# KiCad board armory.kicad_pcb (continued)
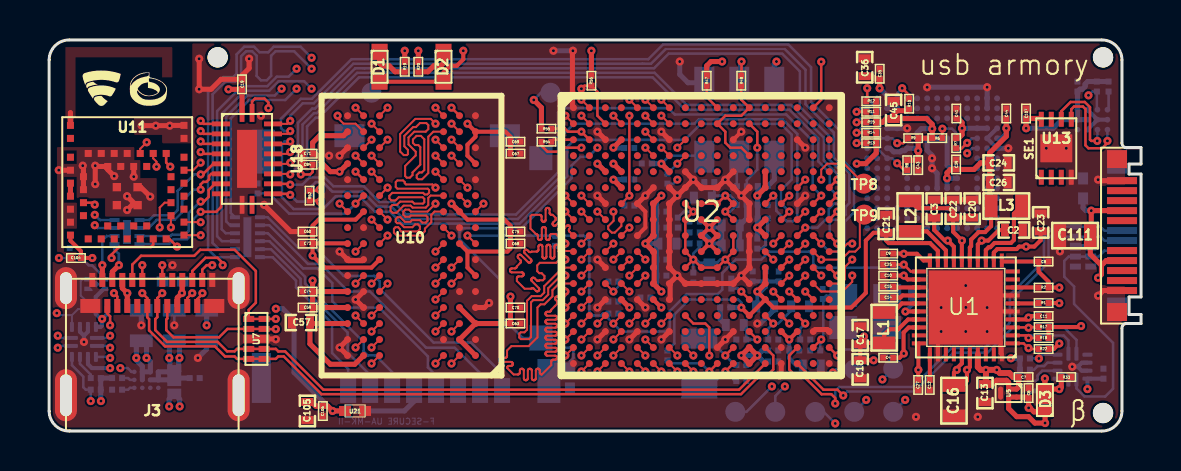
[diagram p0: board, top side]
## Routing (per net, layer and track width the routed paths; a pad name or vN(x,y) marks a point on that pad's centre or on a via; arc(x,y) is an arc through that point) (continued)
/DDR/DRAM_D13: length 28
  TOP w0.1: U2.P3 v1(27.43,5.38) ; v1(15.33,5.78) U10.C8
  SIGNAL_1 w0.1: v1(27.43,5.38) 28.01,5.96 28.28,5.96 28.45,6.13 28.45,6.47 28.63,6.65 28.63,7.12 28.9,7.39 29.23,7.39 29.43,7.59 29.43,7.99 29.23,8.19 28.84,8.19 28.62,8.41 28.62,8.76 28.4,8.98 25.68,8.98 25.12,9.54 24.95,9.54 24.93,9.54 24.91,9.55 24.89,9.56 24.87,9.58 24.86,9.6 24.85,9.62 24.85,9.64 24.85,9.94 24.85,9.96 24.84,9.98 24.83,10 24.81,10.02 24.79,10.03 24.77,10.04 24.75,10.04 24.73,10.04 24.71,10.03 24.69,10.02 24.67,10 24.66,9.98 24.65,9.96 24.65,9.94 24.65,9.14 24.65,9.12 24.64,9.1 24.63,9.08 24.61,9.06 24.59,9.05 24.57,9.04 24.55,9.04 24.53,9.04 24.51,9.05 24.49,9.06 24.47,9.08 24.46,9.1 24.45,9.12 24.45,9.14 24.45,9.94 24.45,9.96 24.44,9.98 24.43,10 24.41,10.02 24.39,10.03 24.37,10.04 24.35,10.04 24.33,10.04 24.31,10.03 24.29,10.02 24.27,10 24.26,9.98 24.25,9.96 24.25,9.94 24.25,9.14 24.25,9.12 24.24,9.1 24.23,9.08 24.21,9.06 24.19,9.05 24.17,9.04 24.15,9.04 24.13,9.04 24.11,9.05 24.09,9.06 24.07,9.08 24.06,9.1 24.05,9.12 24.05,9.14 24.05,9.94 24.05,9.96 24.04,9.98 24.03,10 24.01,10.02 23.99,10.03 23.97,10.04 23.95,10.04 23.93,10.04 23.91,10.03 23.89,10.02 23.87,10 23.86,9.98 23.85,9.96 23.85,9.94 23.85,9.14 23.85,9.12 23.84,9.1 23.83,9.08 23.81,9.06 23.79,9.05 23.77,9.04 23.75,9.04 23.73,9.04 23.71,9.05 23.69,9.06 23.67,9.08 23.66,9.1 23.65,9.12 23.65,9.14 23.65,9.44 23.65,9.46 23.64,9.48 23.63,9.5 23.61,9.52 23.59,9.53 23.57,9.54 23.55,9.54 22.6,9.54 21.56,8.5 21.56,7.04 19.9,5.38 U10.C8 v1(15.33,5.78)
/DDR/DRAM_D14: length 28
  TOP w0.1: v1(20.13,4.98) U10.C2 ; U2.R2 v1(26.63,4.58)
  SIGNAL_1 w0.1: v1(26.63,4.58) U2.R2 27.03,5.58 27.24,5.79 27.56,5.79 27.93,6.16 28.11,6.16 28.24,6.29 28.24,6.49 28.12,6.61 27.95,6.61 27.85,6.71 27.85,7.11 28.08,7.34 28.51,7.34 28.67,7.5 28.67,7.99 28.44,8.22 25.49,8.22 25.47,8.22 25.45,8.23 25.43,8.24 25.41,8.26 25.4,8.28 25.39,8.3 25.39,8.32 25.39,8.56 25.39,8.58 25.38,8.6 25.37,8.62 25.35,8.63 25.33,8.65 25.31,8.65 25.29,8.66 25.27,8.65 25.25,8.65 25.23,8.63 25.21,8.62 25.2,8.6 25.19,8.58 25.19,8.56 25.19,7.88 25.19,7.86 25.18,7.84 25.17,7.82 25.15,7.81 25.13,7.79 25.11,7.79 25.09,7.78 25.07,7.79 25.05,7.79 25.03,7.81 25.01,7.82 25,7.84 24.99,7.86 24.99,7.88 24.99,8.56 24.99,8.58 24.98,8.6 24.97,8.62 24.95,8.63 24.93,8.65 24.91,8.65 24.89,8.66 24.87,8.65 24.85,8.65 24.83,8.63 24.81,8.62 24.8,8.6 24.79,8.58 24.79,8.56 24.79,7.88 24.79,7.86 24.78,7.84 24.77,7.82 24.75,7.81 24.73,7.79 24.71,7.79 24.69,7.78 24.67,7.79 24.65,7.79 24.63,7.81 24.61,7.82 24.6,7.84 24.59,7.86 24.59,7.88 24.59,8.56 24.59,8.58 24.58,8.6 24.57,8.62 24.55,8.63 24.53,8.65 24.51,8.65 24.49,8.66 24.47,8.65 24.45,8.65 24.43,8.63 24.41,8.62 24.4,8.6 24.39,8.58 24.39,8.56 24.39,7.88 24.39,7.86 24.38,7.84 24.37,7.82 24.35,7.81 24.33,7.79 24.31,7.79 24.29,7.78 24.27,7.79 24.25,7.79 24.23,7.81 24.21,7.82 24.2,7.84 24.19,7.86 24.19,7.88 24.19,8.56 24.19,8.58 24.18,8.6 24.17,8.62 24.15,8.63 24.13,8.65 24.11,8.65 24.09,8.66 24.07,8.65 24.05,8.65 24.03,8.63 24.01,8.62 24,8.6 23.99,8.58 23.99,8.56 23.99,7.88 23.99,7.86 23.98,7.84 23.97,7.82 23.95,7.81 23.93,7.79 23.91,7.79 23.89,7.78 23.87,7.79 23.85,7.79 23.83,7.81 23.81,7.82 23.8,7.84 23.79,7.86 23.79,7.88 23.79,8.56 23.79,8.58 23.78,8.6 23.77,8.62 23.75,8.63 23.73,8.65 23.71,8.65 23.69,8.66 23.67,8.65 23.65,8.65 23.63,8.63 23.61,8.62 23.6,8.6 23.59,8.58 23.59,8.56 23.59,7.88 23.59,7.86 23.58,7.84 23.57,7.82 23.55,7.81 23.53,7.79 23.51,7.79 23.49,7.78 23.47,7.79 23.45,7.79 23.43,7.81 23.41,7.82 23.4,7.84 23.39,7.86 23.39,7.88 23.39,8.56 23.39,8.58 23.38,8.6 23.37,8.62 23.35,8.63 23.33,8.65 23.31,8.65 23.29,8.66 23.27,8.65 23.25,8.65 23.23,8.63 23.21,8.62 23.2,8.6 23.19,8.58 23.19,8.56 23.19,7.88 23.19,7.86 23.18,7.84 23.17,7.82 23.15,7.81 23.13,7.79 23.11,7.79 23.09,7.78 23.07,7.79 23.05,7.79 23.03,7.81 23.01,7.82 23,7.84 22.99,7.86 22.99,7.88 22.99,8.56 22.99,8.58 22.98,8.6 22.97,8.62 22.95,8.63 22.93,8.65 22.91,8.65 22.89,8.66 22.87,8.65 22.85,8.65 22.83,8.63 22.81,8.62 22.8,8.6 22.79,8.58 22.79,8.56 22.79,7.88 22.79,7.86 22.78,7.84 22.77,7.82 22.75,7.81 22.73,7.79 22.71,7.79 22.69,7.78 22.67,7.79 22.65,7.79 22.63,7.81 22.61,7.82 22.6,7.84 22.59,7.86 22.59,7.88 22.59,8.12 22.59,8.14 22.58,8.16 22.57,8.18 22.55,8.2 22.53,8.21 22.51,8.22 22.49,8.22 22.07,8.22 21.77,7.92 21.77,6.97 20.13,5.33 v1(20.13,4.98)
/DDR/DRAM_D15: length 28
  TOP w0.1: v1(25.83,4.58) U2.R1 ; U10.C3 v1(19.33,4.98)
  SIGNAL_1 w0.1: 23.44,6.88 23.44,7.38 23.29,7.53 22.14,7.53 21.97,7.36 21.97,6.89 20.52,5.44 20.52,4.86 20.28,4.62 19.43,4.62 19.33,4.72 v1(19.33,4.98) ; 23.44,6.88 23.44,6.53 23.44,6.51 23.45,6.49 23.46,6.47 23.48,6.45 23.5,6.44 23.52,6.43 23.54,6.43 23.56,6.43 23.58,6.44 23.6,6.45 23.62,6.47 23.63,6.49 23.64,6.51 23.64,6.53 23.64,7.43 23.64,7.45 23.65,7.47 23.66,7.49 23.68,7.51 23.7,7.52 23.72,7.53 23.74,7.53 23.76,7.53 23.78,7.52 23.8,7.51 23.82,7.49 23.83,7.47 23.84,7.45 23.84,7.43 23.84,6.53 23.84,6.51 23.85,6.49 23.86,6.47 23.88,6.45 23.9,6.44 23.92,6.43 23.94,6.43 23.96,6.43 23.98,6.44 24,6.45 24.02,6.47 24.03,6.49 24.04,6.51 24.04,6.53 24.04,7.43 24.04,7.45 24.05,7.47 24.06,7.49 24.08,7.51 24.1,7.52 24.12,7.53 24.14,7.53 24.16,7.53 24.18,7.52 24.2,7.51 24.22,7.49 24.23,7.47 24.24,7.45 24.24,7.43 24.24,6.53 24.24,6.51 24.25,6.49 24.26,6.47 24.28,6.45 24.3,6.44 24.32,6.43 24.34,6.43 24.36,6.43 24.38,6.44 24.4,6.45 24.42,6.47 24.43,6.49 24.44,6.51 24.44,6.53 24.44,7.43 24.44,7.45 24.45,7.47 24.46,7.49 24.48,7.51 24.5,7.52 24.52,7.53 24.54,7.53 24.56,7.53 24.58,7.52 24.6,7.51 24.62,7.49 24.63,7.47 24.64,7.45 24.64,7.43 24.64,6.53 24.64,6.51 24.65,6.49 24.66,6.47 24.68,6.45 24.7,6.44 24.72,6.43 24.74,6.43 24.76,6.43 24.78,6.44 24.8,6.45 24.82,6.47 24.83,6.49 24.84,6.51 24.84,6.53 24.84,7.43 24.84,7.45 24.85,7.47 24.86,7.49 24.88,7.51 24.9,7.52 24.92,7.53 24.94,7.53 24.96,7.53 24.98,7.52 25,7.51 25.02,7.49 25.03,7.47 25.04,7.45 25.04,7.43 25.04,7.08 25.04,7.06 25.05,7.04 25.06,7.02 25.08,7 25.1,6.99 25.12,6.98 25.14,6.98 25.33,6.98 25.73,7.38 25.93,7.38 25.94,7.38 25.95,7.38 25.96,7.37 25.97,7.36 25.98,7.35 25.98,7.34 25.98,7.32 25.98,7.31 25.99,7.3 26,7.29 26.01,7.28 26.02,7.28 26.03,7.28 26.13,7.28 26.14,7.28 26.15,7.28 26.16,7.29 26.17,7.3 26.18,7.31 26.18,7.32 26.18,7.33 26.18,7.48 26.18,7.5 26.19,7.52 26.2,7.54 26.22,7.56 26.24,7.57 26.26,7.58 26.28,7.58 26.3,7.58 26.32,7.57 26.34,7.56 26.36,7.54 26.37,7.52 26.38,7.5 26.38,7.46 26.39,7.44 26.4,7.42 26.42,7.4 26.44,7.39 26.46,7.38 26.48,7.38 26.78,7.38 26.99,7.59 26.99,7.97 27.04,8.02 27.21,8.02 27.23,8.02 27.25,8.01 27.27,8 27.29,7.98 27.3,7.96 27.31,7.94 27.31,7.92 27.31,7.57 27.31,7.55 27.32,7.53 27.33,7.51 27.35,7.49 27.37,7.48 27.39,7.47 27.41,7.47 27.43,7.47 27.45,7.48 27.47,7.49 27.49,7.51 27.5,7.53 27.51,7.55 27.51,7.57 27.51,7.92 27.51,7.94 27.52,7.96 27.53,7.98 27.55,8 27.57,8.01 27.59,8.02 27.61,8.02 28.34,8.02 28.47,7.89 28.47,7.69 28.32,7.54 27.86,7.54 27.65,7.33 27.65,6.71 27.49,6.55 27.26,6.55 27.03,6.32 27.03,5.97 26.84,5.78 26.46,5.78 26.23,5.55 U2.R1 v1(25.83,4.58) ; 23.44,6.88 23.44,6.87
/DDR/DRAM_DQM0: length 28.3
  TOP w0.1: U10.E7 v1(16.93,7.38) ; U2.T7 v1(31.43,3.78)
  SIGNAL_1 w0.1: v1(16.93,7.38) 16.93,9.23 17.69,9.99 17.69,11.05 19.23,12.59 27.71,12.59 28.12,12.18 29.98,12.18 30.23,11.93 30.23,11.38 32.59,9.02 32.59,6.02 32.2,5.63 32.2,4.55 v1(31.43,3.78) ; v1(31.43,3.78) 31.45,3.78 ; v1(31.43,3.78) 31.43,3.91
/DDR/DRAM_DQM1: length 28
  TOP w0.1: U2.T3 v1(27.43,3.78) ; v1(19.33,5.78) U10.D3
  SIGNAL_1 w0.1: 23.85,10.91 23.83,10.91 23.81,10.9 23.79,10.89 23.77,10.87 23.76,10.85 23.75,10.83 23.75,10.81 23.75,10.56 23.75,10.53 23.74,10.51 23.73,10.49 23.71,10.48 23.69,10.47 23.67,10.46 23.65,10.46 23.63,10.46 23.61,10.47 23.59,10.48 23.57,10.49 23.56,10.51 23.55,10.53 23.55,10.56 23.55,10.99 23.55,11 23.54,11.02 23.53,11.03 23.52,11.05 23.51,11.06 23.49,11.06 23.47,11.06 23.43,11.06 23.41,11.06 23.39,11.06 23.38,11.05 23.37,11.03 23.36,11.02 23.35,11 23.35,10.99 23.35,10.56 23.35,10.53 23.34,10.51 23.33,10.49 23.31,10.48 23.29,10.47 23.27,10.46 23.25,10.46 23.23,10.46 23.21,10.47 23.19,10.48 23.17,10.49 23.16,10.51 23.15,10.53 23.15,10.56 23.15,10.81 23.15,10.83 23.14,10.85 23.13,10.87 23.11,10.89 23.09,10.9 23.07,10.91 23.05,10.91 22.91,10.91 21.92,9.92 21.92,9.14 21.36,8.58 21.36,7.12 20.62,6.38 19.96,6.38 19.36,5.78 v1(19.33,5.78) 19.47,5.78 ; v1(27.43,3.78) 27.43,4.08 27.86,4.51 27.86,5.51 28.1,5.75 28.48,5.75 28.65,5.92 28.65,6.39 28.86,6.6 29.17,6.6 30.19,7.62 30.19,8.77 30.03,8.94 29.18,8.94 28.38,9.74 27.88,9.74 27.79,9.65 27.77,9.64 27.75,9.63 27.73,9.61 27.72,9.59 27.71,9.57 27.71,9.55 27.71,9.3 27.71,9.27 27.7,9.25 27.69,9.23 27.67,9.22 27.65,9.21 27.63,9.2 27.61,9.2 27.59,9.2 27.57,9.21 27.55,9.22 27.53,9.23 27.52,9.25 27.51,9.27 27.51,9.3 27.51,9.73 27.51,9.74 27.5,9.76 27.49,9.77 27.48,9.79 27.47,9.8 27.45,9.8 27.43,9.8 27.39,9.8 27.37,9.8 27.35,9.8 27.34,9.79 27.33,9.77 27.32,9.76 27.31,9.74 27.31,9.73 27.31,9.3 27.31,9.27 27.3,9.25 27.29,9.23 27.27,9.22 27.25,9.21 27.23,9.2 27.21,9.2 27.19,9.2 27.17,9.21 27.15,9.22 27.13,9.23 27.12,9.25 27.11,9.27 27.11,9.3 27.11,9.55 27.11,9.57 27.1,9.59 27.09,9.61 27.07,9.63 27.05,9.64 26.95,9.74 25.68,9.74 24.8,10.62 24.63,10.62 24.57,10.56 24.57,10.53 24.56,10.51 24.55,10.49 24.53,10.48 24.51,10.47 24.49,10.46 24.47,10.46 24.45,10.46 24.43,10.47 24.41,10.48 24.39,10.49 24.38,10.51 24.37,10.53 24.37,10.56 24.37,10.99 24.37,11 24.36,11.02 24.35,11.03 24.34,11.05 24.33,11.06 24.31,11.06 24.29,11.06 24.25,11.06 24.23,11.06 24.21,11.06 24.2,11.05 24.19,11.03 24.18,11.02 24.17,11 24.17,10.99 24.17,10.56 24.17,10.53 24.16,10.51 24.15,10.49 24.13,10.48 24.11,10.47 24.09,10.46 24.07,10.46 24.05,10.46 24.03,10.47 24.01,10.48 23.99,10.49 23.98,10.51 23.97,10.53 23.97,10.56 23.97,10.81 23.97,10.83 23.96,10.85 23.95,10.87 23.93,10.89 23.91,10.9 23.89,10.91 23.87,10.91
/DDR/DRAM_RAS_B: length 34
  TOP w0.1: U2.M5 v1(29.83,7.78) ; v1(20.13,9.78) U10.J3
  SIGNAL_2 w0.1: v1(20.13,9.78) 20.13,9.28 19.43,8.58 16.27,8.58 15.74,8.05 15.74,6.39 15.74,6.38 15.75,6.36 15.76,6.35 15.77,6.34 15.78,6.33 15.8,6.32 15.83,6.32 15.85,6.31 15.86,6.3 15.87,6.29 15.88,6.28 15.89,6.26 15.89,6.25 15.89,6.19 15.89,6.18 15.88,6.16 15.87,6.15 15.86,6.14 15.85,6.13 15.83,6.12 15.81,6.12 15.69,6.12 15.68,6.12 15.67,6.12 15.66,6.11 15.65,6.1 15.64,6.09 15.64,6.08 15.64,6.07 15.64,5.97 15.64,5.96 15.64,5.95 15.65,5.94 15.66,5.93 15.67,5.92 15.68,5.92 15.7,5.92 15.71,5.92 15.72,5.91 15.73,5.9 15.74,5.89 15.74,5.88 15.74,5.87 15.74,5.52 15.88,5.38 16.45,5.38 16.71,5.12 16.71,4.87 17.13,4.45 17.13,4.26 17.27,4.12 17.28,4.11 17.3,4.1 17.31,4.1 17.33,4.1 17.35,4.1 17.36,4.11 17.39,4.13 17.4,4.14 17.42,4.14 17.44,4.14 17.45,4.14 17.47,4.13 17.48,4.12 17.52,4.08 17.53,4.07 17.53,4.06 17.54,4.04 17.54,4.02 17.53,4.01 17.53,3.99 17.52,3.98 17.41,3.87 17.4,3.86 17.39,3.84 17.39,3.83 17.39,3.81 17.39,3.8 17.4,3.78 17.41,3.77 17.45,3.73 17.46,3.72 17.48,3.71 17.49,3.71 17.51,3.71 17.52,3.71 17.54,3.72 17.55,3.73 17.61,3.78 17.66,3.84 17.67,3.85 17.69,3.85 17.7,3.86 17.72,3.86 17.74,3.85 17.75,3.85 17.76,3.84 17.8,3.8 17.81,3.79 17.82,3.77 17.82,3.76 17.82,3.74 17.82,3.72 17.81,3.71 17.79,3.68 17.78,3.67 17.78,3.65 17.78,3.63 17.78,3.62 17.79,3.6 17.8,3.59 18.11,3.59 18.13,3.59 18.14,3.6 18.16,3.61 18.17,3.62 18.18,3.63 18.18,3.65 18.19,3.68 18.19,3.7 18.2,3.71 18.21,3.72 18.23,3.73 18.24,3.74 18.26,3.74 18.31,3.74 18.33,3.74 18.34,3.73 18.36,3.72 18.37,3.71 18.38,3.7 18.38,3.68 18.39,3.66 18.39,3.52 18.39,3.5 18.39,3.48 18.4,3.47 18.41,3.46 18.43,3.45 18.44,3.44 18.46,3.44 18.51,3.44 18.53,3.44 18.54,3.45 18.56,3.46 18.57,3.47 18.58,3.48 18.58,3.5 18.59,3.52 18.59,3.59 18.59,3.59 18.59,3.66 18.59,3.68 18.59,3.7 18.6,3.71 18.61,3.72 18.63,3.73 18.64,3.74 18.66,3.74 18.71,3.74 18.73,3.74 18.74,3.73 18.76,3.72 18.77,3.71 18.78,3.7 18.78,3.68 18.79,3.65 18.79,3.63 18.8,3.62 18.81,3.61 18.83,3.6 18.84,3.59 18.86,3.59 19.16,3.89 19.48,3.89 19.5,3.89 19.51,3.9 19.53,3.91 19.54,3.92 19.55,3.93 19.55,3.95 19.56,3.98 19.56,4 19.57,4.01 19.58,4.02 19.6,4.03 19.61,4.04 19.63,4.04 19.68,4.04 19.7,4.04 19.71,4.03 19.73,4.02 19.74,4.01 19.75,4 19.75,3.98 19.75,3.96 19.75,3.82 19.76,3.8 19.76,3.78 19.77,3.77 19.78,3.76 19.8,3.75 19.81,3.74 19.83,3.74 19.88,3.74 19.9,3.74 19.91,3.75 19.93,3.76 19.94,3.77 19.95,3.78 19.95,3.8 19.96,3.82 19.96,3.96 19.96,3.98 19.96,4 19.97,4.01 19.98,4.02 20,4.03 20.01,4.04 20.03,4.04 20.08,4.04 20.1,4.04 20.11,4.03 20.13,4.02 20.14,4.01 20.15,4 20.15,3.98 20.16,3.96 20.16,3.82 20.16,3.8 20.16,3.78 20.17,3.77 20.18,3.76 20.2,3.75 20.21,3.74 20.23,3.74 20.28,3.74 20.3,3.74 20.31,3.75 20.33,3.76 20.34,3.77 20.35,3.78 20.35,3.8 20.36,3.82 20.36,3.89 20.36,3.96 20.36,3.98 20.36,4 20.37,4.01 20.38,4.02 20.4,4.03 20.41,4.04 20.43,4.04 20.48,4.04 20.5,4.04 20.51,4.03 20.53,4.02 20.54,4.01 20.55,4 20.55,3.98 20.56,3.95 20.56,3.93 20.57,3.92 20.58,3.91 20.6,3.9 20.61,3.89 20.63,3.89 21.03,3.49 21.3,3.49 21.32,3.49 21.33,3.5 21.35,3.51 21.36,3.52 21.37,3.53 21.37,3.55 21.38,3.58 21.38,3.6 21.39,3.61 21.4,3.62 21.42,3.63 21.43,3.64 21.45,3.64 21.5,3.64 21.52,3.64 21.53,3.63 21.55,3.62 21.56,3.61 21.57,3.6 21.57,3.58 21.58,3.55 21.58,3.53 21.59,3.52 21.6,3.51 21.62,3.5 21.63,3.49 21.65,3.49 21.7,3.49 21.72,3.49 21.73,3.5 21.75,3.51 21.76,3.52 21.77,3.53 21.77,3.55 21.78,3.58 21.78,3.6 21.79,3.61 21.8,3.62 21.82,3.63 21.83,3.64 21.85,3.64 21.9,3.64 21.92,3.64 21.93,3.63 21.95,3.62 21.96,3.61 21.97,3.6 21.97,3.58 21.98,3.55 21.98,3.53 21.99,3.52 22,3.51 22.02,3.5 22.03,3.49 22.05,3.49 22.1,3.49 22.12,3.49 22.13,3.5 22.15,3.51 22.16,3.52 22.17,3.53 22.17,3.55 22.18,3.58 22.18,3.6 22.19,3.61 22.2,3.62 22.22,3.63 22.23,3.64 22.25,3.64 22.3,3.64 22.32,3.64 22.33,3.63 22.35,3.62 22.36,3.61 22.37,3.6 22.37,3.58 22.38,3.55 22.38,3.53 22.39,3.52 22.4,3.51 22.42,3.5 22.43,3.49 22.45,3.49 22.5,3.49 22.52,3.49 22.53,3.5 22.55,3.51 22.56,3.52 22.57,3.53 22.57,3.55 22.58,3.58 22.58,3.6 22.59,3.61 22.6,3.62 22.62,3.63 22.63,3.64 22.65,3.64 22.7,3.64 22.72,3.64 22.73,3.63 22.75,3.62 22.76,3.61 22.77,3.6 22.77,3.58 22.78,3.55 22.78,3.53 22.79,3.52 22.8,3.51 22.82,3.5 22.83,3.49 22.85,3.49 22.9,3.49 22.92,3.49 22.93,3.5 22.95,3.51 22.96,3.52 22.97,3.53 22.97,3.55 22.98,3.58 22.98,3.6 22.99,3.61 23,3.62 23.02,3.63 23.03,3.64 23.05,3.64 23.1,3.64 23.12,3.64 23.13,3.63 23.15,3.62 23.16,3.61 23.17,3.6 23.17,3.58 23.18,3.55 23.18,3.53 23.19,3.52 23.2,3.51 23.22,3.5 23.23,3.49 23.25,3.49 23.3,3.49 23.32,3.49 23.33,3.5 23.35,3.51 23.36,3.52 23.37,3.53 23.37,3.55 23.38,3.58 23.38,3.6 23.39,3.61 23.4,3.62 23.42,3.63 23.43,3.64 23.45,3.64 23.5,3.64 23.52,3.64 23.53,3.63 23.55,3.62 23.56,3.61 23.57,3.6 23.57,3.58 23.58,3.55 23.58,3.53 23.59,3.52 23.6,3.51 23.62,3.5 23.63,3.49 23.65,3.49 23.7,3.49 23.72,3.49 23.73,3.5 23.75,3.51 23.76,3.52 23.77,3.53 23.77,3.55 23.78,3.58 23.78,3.6 23.79,3.61 23.8,3.62 23.82,3.63 23.83,3.64 23.85,3.64 23.9,3.64 23.92,3.64 23.93,3.63 23.95,3.62 23.96,3.61 23.97,3.6 23.97,3.58 23.98,3.55 23.98,3.53 23.99,3.52 24,3.51 24.02,3.5 24.03,3.49 24.05,3.49 24.1,3.49 24.12,3.49 24.13,3.5 24.15,3.51 24.16,3.52 24.17,3.53 24.17,3.55 24.18,3.58 24.18,3.6 24.19,3.61 24.2,3.62 24.22,3.63 24.23,3.64 24.25,3.64 24.3,3.64 24.32,3.64 24.33,3.63 24.35,3.62 24.36,3.61 24.37,3.6 24.37,3.58 24.38,3.55 24.38,3.53 24.39,3.52 24.4,3.51 24.42,3.5 24.43,3.49 24.45,3.49 24.5,3.49 24.52,3.49 24.53,3.5 24.55,3.51 24.56,3.52 24.57,3.53 24.57,3.55 24.58,3.58 24.58,3.6 24.59,3.61 24.6,3.62 24.62,3.63 24.63,3.64 24.65,3.64 24.7,3.64 24.72,3.64 24.73,3.63 24.75,3.62 24.76,3.61 24.77,3.6 24.77,3.58 24.78,3.55 24.78,3.53 24.79,3.52 24.8,3.51 24.82,3.5 24.83,3.49 24.85,3.49 24.9,3.49 24.92,3.49 24.93,3.5 24.95,3.51 24.96,3.52 24.97,3.53 24.97,3.55 24.98,3.58 24.98,3.6 24.99,3.61 25,3.62 25.02,3.63 25.03,3.64 25.05,3.64 25.1,3.64 25.12,3.64 25.13,3.63 25.15,3.62 25.16,3.61 25.17,3.6 25.17,3.58 25.18,3.55 25.18,3.53 25.19,3.52 25.2,3.51 25.22,3.5 25.23,3.49 25.25,3.49 25.46,3.7 25.46,3.95 25.69,4.18 26.05,4.18 26.23,4.36 26.23,4.68 26.53,4.98 26.77,4.98 26.78,4.98 26.79,4.98 26.8,4.97 26.8,4.96 26.81,4.95 26.81,4.94 26.82,4.92 26.82,4.91 26.83,4.9 26.83,4.89 26.84,4.88 26.85,4.88 26.87,4.88 26.97,4.88 26.98,4.88 26.99,4.88 27,4.89 27,4.9 27.01,4.91 27.01,4.92 27.02,4.93 27.02,4.98 27.02,5.05 27.02,5.07 27.02,5.09 27.03,5.1 27.04,5.11 27.06,5.12 27.07,5.13 27.09,5.13 27.14,5.13 27.16,5.13 27.17,5.12 27.19,5.11 27.2,5.1 27.21,5.09 27.21,5.07 27.22,5.04 27.22,5.02 27.23,5.01 27.24,5 27.26,4.99 27.27,4.98 27.29,4.98 27.62,4.98 27.83,5.19 27.83,5.58 27.83,5.6 27.82,5.61 27.81,5.63 27.8,5.64 27.79,5.65 27.77,5.65 27.74,5.66 27.72,5.66 27.71,5.67 27.7,5.68 27.69,5.7 27.68,5.71 27.68,5.73 27.68,5.78 27.68,5.8 27.69,5.81 27.7,5.83 27.71,5.84 27.72,5.85 27.74,5.85 27.76,5.86 27.83,5.86 27.83,5.86 27.9,5.86 27.92,5.86 27.94,5.86 27.95,5.87 27.96,5.88 27.97,5.9 27.98,5.91 27.98,5.93 27.98,5.98 27.98,6 27.97,6.01 27.96,6.03 27.95,6.04 27.94,6.05 27.92,6.05 27.89,6.06 27.87,6.06 27.86,6.07 27.85,6.08 27.84,6.1 27.83,6.11 27.83,6.13 27.83,6.15 27.84,6.16 27.85,6.18 27.86,6.19 27.87,6.2 27.89,6.2 27.92,6.21 27.94,6.21 27.95,6.22 27.96,6.23 27.97,6.25 27.98,6.26 27.98,6.28 27.98,6.33 27.98,6.35 27.97,6.36 27.96,6.38 27.95,6.39 27.94,6.4 27.92,6.4 27.9,6.41 27.76,6.41 27.74,6.41 27.72,6.41 27.71,6.42 27.7,6.43 27.69,6.45 27.68,6.46 27.68,6.48 27.68,6.53 27.68,6.55 27.69,6.56 27.7,6.58 27.71,6.59 27.72,6.6 27.74,6.6 27.76,6.61 27.88,6.61 27.89,6.61 27.9,6.61 27.91,6.62 27.92,6.62 27.93,6.63 27.93,6.64 27.93,6.66 27.93,6.75 27.93,6.77 27.93,6.78 27.92,6.79 27.91,6.79 27.9,6.8 27.89,6.8 27.88,6.8 27.83,6.8 27.76,6.81 27.74,6.81 27.72,6.81 27.71,6.82 27.7,6.83 27.69,6.85 27.68,6.86 27.68,6.88 27.68,6.93 27.68,6.95 27.69,6.96 27.7,6.98 27.71,6.99 27.72,7 27.74,7 27.77,7.01 27.79,7.01 27.8,7.02 27.81,7.03 27.82,7.05 27.83,7.06 27.83,7.08 28.13,7.38 28.41,7.38 28.42,7.38 28.44,7.37 28.45,7.36 28.46,7.35 28.47,7.34 28.48,7.32 28.48,7.29 28.49,7.27 28.5,7.26 28.51,7.25 28.52,7.24 28.54,7.23 28.55,7.23 28.61,7.23 28.62,7.23 28.64,7.24 28.65,7.25 28.66,7.26 28.67,7.27 28.68,7.29 28.68,7.31 28.68,7.43 28.68,7.44 28.68,7.45 28.69,7.46 28.7,7.47 28.71,7.48 28.72,7.48 28.73,7.48 28.83,7.48 28.84,7.48 28.85,7.48 28.86,7.47 28.87,7.46 28.88,7.45 28.88,7.44 28.88,7.42 28.88,7.41 28.89,7.4 28.9,7.39 28.91,7.38 28.92,7.38 28.93,7.38 U2.M5 v1(29.83,7.78)
